# Allegro board BeagleBone_Green_Wireless_V1.0.brd
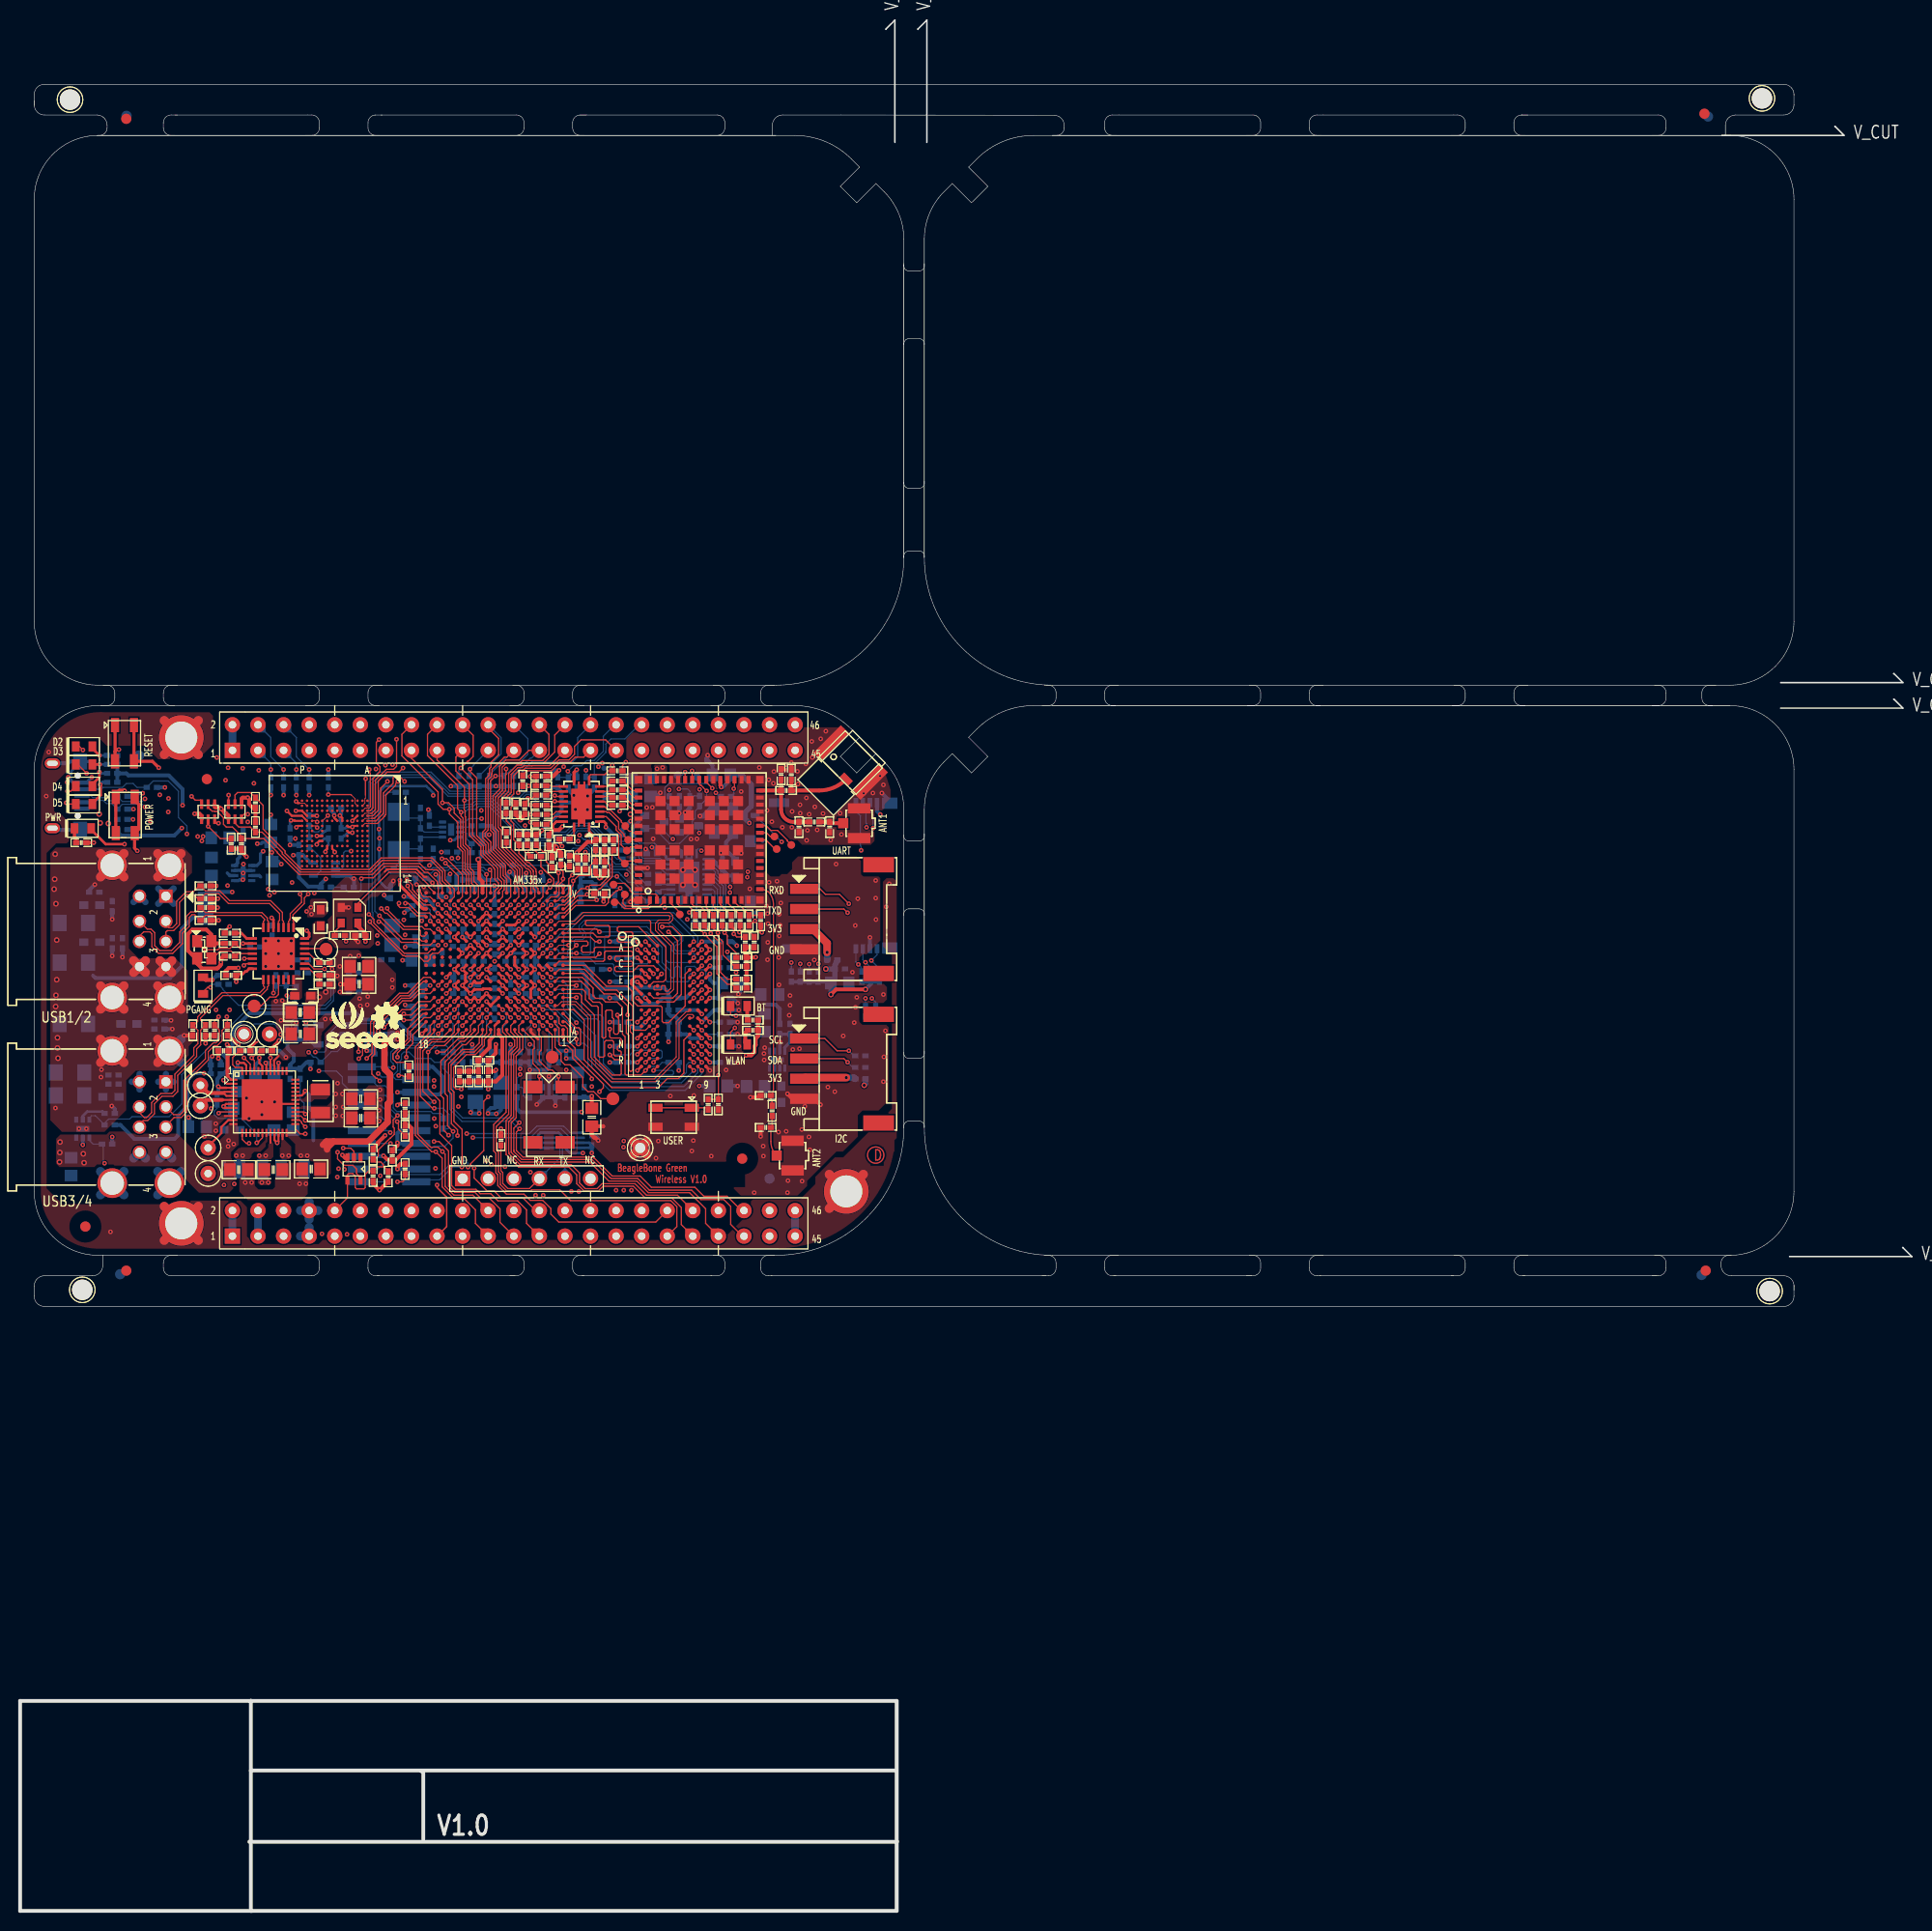
[diagram p0: board, top side]
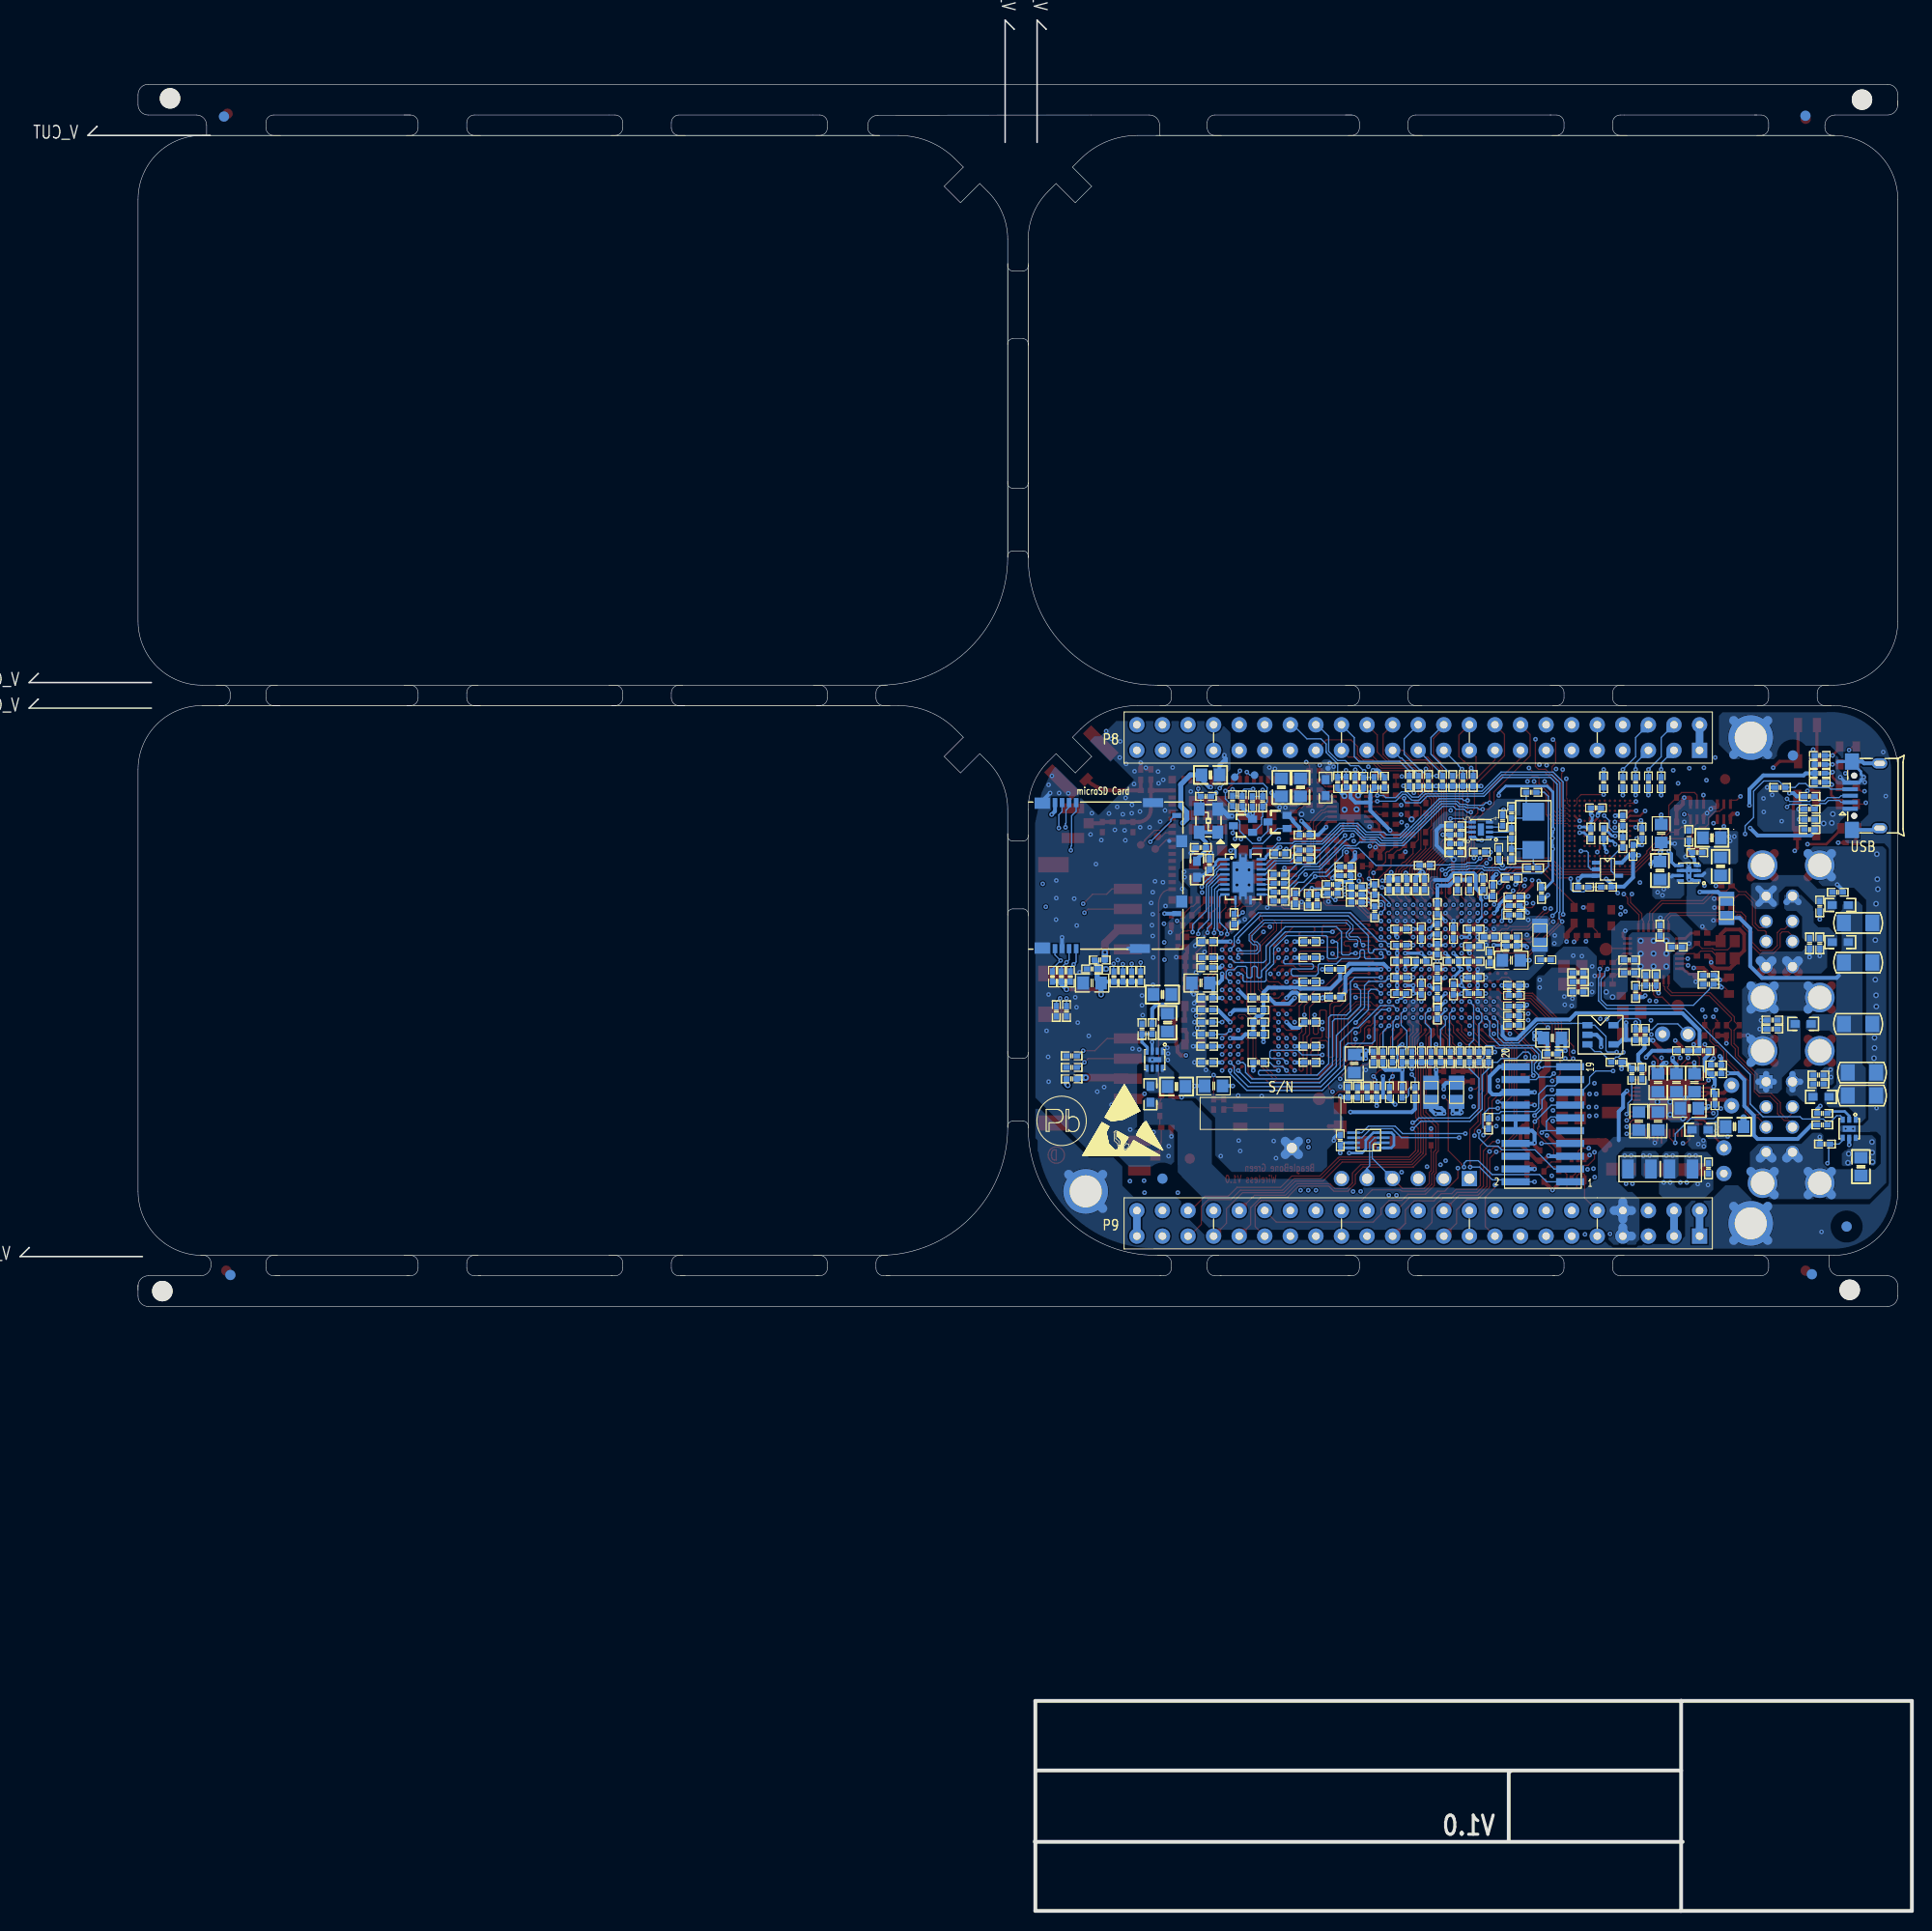
[diagram p1: board, bottom side, seen from below]

Outline 187.86 x 187.83 mm; copper layers: TOP, LYR2_GND, LYR3, LYR4, LYR5_PWR, BOTTOM. Coordinates in mm from the lower left corner of the outline.
Outline path: 1.4,179.83 1.4,179.43 arc(1.69,178.71) 2.41,178.41 7.62,178.41 arc(8.34,178.11) 8.64,177.39 8.64,177.14 arc(8.41,176.6) 7.87,176.38 7.62,176.38 ; 1.4,179.32 1.4,180.44 arc(1.69,181.16) 2.41,181.46 175.13,181.46 arc(175.85,181.16) 176.15,180.44 176.15,179.43 arc(175.85,178.71) 175.13,178.41 170.36,178.41 arc(169.64,178.11) 169.34,177.39 169.34,176.38 169.29,176.38 ; 7.75,176.38 arc(3.26,174.52) 1.4,170.03 1.4,128.12 arc(3.26,123.63) 7.75,121.77 75.06,121.77 arc(84.04,125.49) 87.76,134.47 ; 7.75,176.38 76.91,176.38 arc(79.96,175.77) 82.54,174.04 83.36,173.23 81.45,171.32 83.08,169.69 84.98,171.6 85.8,170.79 arc(87.25,168.62) 87.76,166.06 87.76,134.47 ; 7.75,176.38 75.06,176.38 ; 8.25,121.77 8.64,121.77 arc(9.17,121.54) 9.4,121.01 9.4,120.5 arc(9.17,119.96) 8.64,119.74 8,119.74 ; 8.25,65.13 8.2,65.13 8.2,64.11 arc(7.91,63.39) 7.19,63.09 2.41,63.09 arc(1.69,62.8) 1.4,62.08 1.4,61.06 arc(1.69,60.34) 2.41,60.05 175.13,60.05 arc(175.85,60.34) 176.15,61.06 176.15,62.18 ; 15.62,178.41 14.99,178.41 arc(14.45,178.19) 14.22,177.65 14.22,177.14 arc(14.45,176.6) 14.99,176.38 15.37,176.38 ; 15.62,121.77 14.99,121.77 arc(14.45,121.54) 14.22,121.01 14.22,120.5 arc(14.45,119.96) 14.99,119.74 15.37,119.74 ; 15.62,65.13 14.99,65.13 arc(14.45,64.9) 14.22,64.36 14.22,63.86 arc(14.45,63.32) 14.99,63.09 28.96,63.09 arc(29.49,63.32) 29.72,63.86 29.72,64.36 arc(29.49,64.9) 28.96,65.13 28.57,65.13 ; 22.76,6.86 87.07,6.86 87.07,6.93 ; 22.91,13.94 87,13.94 ; 22.91,20.88 22.91,0 23.01,0 ; 15.37,178.41 28.96,178.41 arc(29.49,178.19) 29.72,177.65 29.72,177.14 arc(29.49,176.6) 28.96,176.38 28.32,176.38 ; 28.57,121.77 28.96,121.77 arc(29.49,121.54) 29.72,121.01 29.72,120.5 arc(29.49,119.96) 28.96,119.74 28.32,119.74 ; 35.94,178.41 35.31,178.41 arc(34.77,178.19) 34.54,177.65 34.54,177.14 arc(34.77,176.6) 35.31,176.38 35.69,176.38 ; 35.94,121.77 35.31,121.77 arc(34.77,121.54) 34.54,121.01 34.54,120.5 arc(34.77,119.96) 35.31,119.74 35.69,119.74 ; 35.94,65.13 35.31,65.13 arc(34.77,64.9) 34.54,64.36 34.54,63.86 arc(34.77,63.32) 35.31,63.09 35.69,63.09 ; 35.43,63.09 49.15,63.09 ; 39.85,13.87 40.03,13.87 40.03,6.91 ; 48.64,176.38 49.28,176.38 arc(49.81,176.6) 50.04,177.14 50.04,177.65 arc(49.81,178.19) 49.28,178.41 35.81,178.41 ; 48.89,121.77 49.28,121.77 arc(49.81,121.54) 50.04,121.01 50.04,120.5 arc(49.81,119.96) 49.28,119.74 48.64,119.74 ; 48.89,65.13 49.28,65.13 arc(49.81,64.9) 50.04,64.36 50.04,63.86 arc(49.81,63.32) 49.28,63.09 48.64,63.09 ; 55.63,178.41 arc(55.09,178.19) 54.86,177.65 54.86,177.14 arc(55.09,176.6) 55.63,176.38 56.01,176.38 ; 55.63,178.41 56.26,178.41 ; 55.63,178.41 69.22,178.41 arc(69.75,178.19) 69.98,177.65 69.98,177.14 arc(69.75,176.6) 69.22,176.38 68.58,176.38 ; 56.26,121.77 55.63,121.77 arc(55.09,121.54) 54.86,121.01 54.86,120.5 arc(55.09,119.96) 55.63,119.74 56.01,119.74 ; 56.26,65.13 55.63,65.13 arc(55.09,64.9) 54.86,64.36 54.86,63.86 arc(55.09,63.32) 55.63,63.09 56.01,63.09 ; 55.75,63.09 68.71,63.09 ; 68.83,121.77 69.22,121.77 arc(69.75,121.54) 69.98,121.01 69.98,120.5 arc(69.75,119.96) 69.22,119.74 68.58,119.74 ; 68.83,65.13 69.22,65.13 arc(69.75,64.9) 69.98,64.36 69.98,63.86 arc(69.75,63.32) 69.22,63.09 68.58,63.09 ; 74.93,121.77 74.3,121.77 arc(73.76,121.54) 73.53,121.01 73.53,120.5 arc(73.76,119.96) 74.3,119.74 74.68,119.74 ; 74.93,65.13 74.3,65.13 arc(73.76,64.9) 73.53,64.36 73.53,63.86 arc(73.76,63.32) 74.3,63.09 74.68,63.09 ; 74.55,63.09 101.85,63.09 ; 74.65,176.38 74.7,176.38 74.7,177.39 arc(75,178.11) 75.72,178.41 81.51,178.41 100.91,178.38 102.67,178.38 arc(103.39,178.09) 103.68,177.37 103.68,177.14 arc(103.46,176.6) 102.92,176.38 102.54,176.38 ; 82.54,117.4 arc(79.96,119.13) 76.91,119.74 7.75,119.74 arc(3.26,117.88) 1.4,113.39 1.4,71.48 arc(3.26,66.99) 7.75,65.13 75.06,65.13 arc(84.04,68.85) 87.76,77.83 87.76,109.42 arc(87.25,111.98) 85.8,114.15 ; 85.98,186.92 85.98,186.94 86.87,187.83 86.87,175.69 ; 87.76,163.53 87.76,163.42 arc(87.91,163.06) 88.27,162.92 89.28,162.92 arc(89.64,163.06) 89.79,163.42 89.79,163.6 ; 87.76,155.5 87.76,155.68 arc(87.91,156.04) 88.27,156.18 89.28,156.18 arc(89.64,156.04) 89.79,155.68 89.79,155.57 ; 87.76,141.94 87.76,141.83 arc(87.91,141.47) 88.27,141.33 89.28,141.33 arc(89.64,141.47) 89.79,141.83 89.79,142.01 ; 87.76,134.42 87.76,134.59 arc(87.91,134.95) 88.27,135.1 89.28,135.1 arc(89.64,134.95) 89.79,134.59 89.79,134.49 ; 87.76,134.47 87.76,163.68 ; 87.76,106.88 87.76,106.78 arc(87.91,106.42) 88.27,106.27 89.28,106.27 arc(89.64,106.42) 89.79,106.78 89.79,106.96 ; 87.76,98.86 87.76,99.03 arc(87.91,99.39) 88.27,99.54 89.28,99.54 arc(89.64,99.39) 89.79,99.03 89.79,98.93 ; 87.76,85.29 87.76,85.19 arc(87.91,84.83) 88.27,84.68 89.28,84.68 arc(89.64,84.83) 89.79,85.19 89.79,85.37 ; 87.76,77.77 87.76,77.95 arc(87.91,78.31) 88.27,78.46 89.28,78.46 arc(89.64,78.31) 89.79,77.95 89.79,77.85 ; 89.15,186.92 89.15,186.94 90.04,187.83 90.04,175.69 ; 89.79,163.68 89.79,134.47 ; 89.79,134.47 89.79,166.06 arc(90.3,168.62) 91.75,170.79 92.56,171.6 94.47,169.69 96.1,171.32 94.19,173.23 95,174.04 arc(97.59,175.77) 100.64,176.38 169.8,176.38 ; 89.79,134.47 arc(93.51,125.49) 102.49,121.77 169.8,121.77 arc(174.29,123.63) 176.15,128.12 176.15,170.03 arc(174.29,174.52) 169.8,176.38 ; 89.79,107.04 89.79,77.83 ; 89.79,77.83 89.79,109.42 arc(90.3,111.98) 91.75,114.15 92.56,114.96 94.47,113.05 96.1,114.68 94.19,116.59 95,117.4 arc(97.59,119.13) 100.64,119.74 169.8,119.74 ; 89.79,77.83 arc(93.51,68.85) 102.49,65.13 169.8,65.13 arc(174.29,66.99) 176.15,71.48 176.15,113.39 arc(174.29,117.88) 169.8,119.74 ; 101.73,121.77 102.11,121.77 arc(102.65,121.54) 102.87,121.01 102.87,120.5 arc(102.65,119.96) 102.11,119.74 101.47,119.74 ; 101.73,65.13 102.11,65.13 arc(102.65,64.9) 102.87,64.36 102.87,63.86 arc(102.65,63.32) 102.11,63.09 101.47,63.09 ; 109.09,121.77 108.46,121.77 arc(107.92,121.54) 107.7,121.01 107.7,120.5 arc(107.92,119.96) 108.46,119.74 108.84,119.74 ; 109.09,65.13 108.46,65.13 arc(107.92,64.9) 107.7,64.36 107.7,63.86 arc(107.92,63.32) 108.46,63.09 108.84,63.09 ; 108.59,63.09 122.3,63.09 ; 108.84,176.38 108.46,176.38 arc(107.92,176.6) 107.7,177.14 107.7,177.65 arc(107.92,178.19) 108.46,178.41 122.43,178.41 arc(122.97,178.19) 123.19,177.65 123.19,177.14 arc(122.97,176.6) 122.43,176.38 121.79,176.38 ; 122.05,121.77 122.43,121.77 arc(122.97,121.54) 123.19,121.01 123.19,120.5 arc(122.97,119.96) 122.43,119.74 121.79,119.74 ; 122.05,65.13 122.43,65.13 arc(122.97,64.9) 123.19,64.36 123.19,63.86 arc(122.97,63.32) 122.43,63.09 121.79,63.09 ; 129.41,121.77 128.78,121.77 arc(128.24,121.54) 128.02,121.01 128.02,120.5 arc(128.24,119.96) 128.78,119.74 129.16,119.74 ; 129.41,65.13 128.78,65.13 arc(128.24,64.9) 128.02,64.36 128.02,63.86 arc(128.24,63.32) 128.78,63.09 129.16,63.09 ; 129.03,63.09 142.37,63.09 ; 129.16,176.38 128.78,176.38 arc(128.24,176.6) 128.02,177.14 128.02,177.65 arc(128.24,178.19) 128.78,178.41 142.75,178.41 arc(143.29,178.19) 143.51,177.65 143.51,177.14 arc(143.29,176.6) 142.75,176.38 142.11,176.38 ; 142.37,121.77 142.75,121.77 arc(143.29,121.54) 143.51,121.01 143.51,120.5 arc(143.29,119.96) 142.75,119.74 142.11,119.74 ; 142.37,65.13 142.75,65.13 arc(143.29,64.9) 143.51,64.36 143.51,63.86 arc(143.29,63.32) 142.75,63.09 142.11,63.09 ; 149.1,178.41 arc(148.56,178.19) 148.34,177.65 148.34,177.14 arc(148.56,176.6) 149.1,176.38 149.48,176.38 ; 149.1,178.41 149.73,178.41 ; 149.1,178.41 162.69,178.41 arc(163.23,178.19) 163.45,177.65 163.45,177.14 arc(163.23,176.6) 162.69,176.38 162.05,176.38 ; 149.73,121.77 149.1,121.77 arc(148.56,121.54) 148.34,121.01 148.34,120.5 arc(148.56,119.96) 149.1,119.74 149.48,119.74 ; 149.73,65.13 149.1,65.13 arc(148.56,64.9) 148.34,64.36 148.34,63.86 arc(148.56,63.32) 149.1,63.09 149.48,63.09 ; 149.22,63.09 162.56,63.09 ; 162.31,121.77 162.69,121.77 arc(163.23,121.54) 163.45,121.01 163.45,120.5 arc(163.23,119.96) 162.69,119.74 162.05,119.74 ; 162.31,65.13 162.69,65.13 arc(163.23,64.9) 163.45,64.36 163.45,63.86 arc(163.23,63.32) 162.69,63.09 162.05,63.09 ; 168.4,121.77 167.77,121.77 arc(167.23,121.54) 167,121.01 167,120.5 arc(167.23,119.96) 167.77,119.74 168.15,119.74 ; 168.99,176.38 181.13,176.38 180.24,177.27 180.21,177.27 ; 169.8,176.38 102.49,176.38 ; 169.8,119.74 102.49,119.74 ; 169.93,65.13 169.67,65.13 arc(169.13,64.9) 168.91,64.36 168.91,64.11 arc(169.21,63.39) 169.93,63.09 175.13,63.09 arc(175.85,62.8) 176.15,62.08 176.15,61.67 ; 174.83,122.02 186.97,122.02 186.08,122.91 186.05,122.91 ; 174.83,119.48 186.97,119.48 186.08,120.37 186.05,120.37 ; 175.72,65 187.86,65 186.97,65.89 186.94,65.89 ; 0,20.85 87.05,20.85 87.05,0 0,0 0,20.85

## Design rules (mm)
net group HUB_D1: nets HUB_DM1 HUB_DP1
net group HUB_D2: nets HUB_DM2 HUB_DP2
net group HUB_D3: nets HUB_DM3 HUB_DP3
net group HUB_D4: nets HUB_DM4 HUB_DP4
net group USB0: nets USB0_DM USB0_DP
net group USB1: nets USB1_DM USB1_DP
net group CLK: nets MMC0_CLKO
net group DDR_ADD: nets DDR_A0 DDR_A1 DDR_A2 DDR_A3 DDR_A4 DDR_A5 DDR_A6 DDR_A7 DDR_A8 DDR_A9 DDR_A10 DDR_A11 DDR_A12 DDR_A13 DDR_A14 DDR_BA0 DDR_BA1 DDR_BA2 DDR_CASN DDR_CKE DDR_CLK DDR_CLKN DDR_CSN DDR_ODT DDR_RASN DDR_WEN
net group DDR_DQ0: nets DDR_D0 DDR_D1 DDR_D2 DDR_D3 DDR_D4 DDR_D5 DDR_D6 DDR_D7 DDR_DQM0 DDR_DQS0 DDR_DQSN0
net group DDR_DQ1: nets DDR_D8 DDR_D9 DDR_D10 DDR_D11 DDR_D12 DDR_D13 DDR_D14 DDR_D15 DDR_DQM1 DDR_DQS1 DDR_DQSN1
nets with their own width: min track width 0.203; nets USB1_VBUS

## Placement (name value [footprint] x y rotation side)
ANT  ACA-5036-A2-CC-S  [ACA5036]  82.47 114.08 225 top
C1  10uF,10V  [805]  21.72 73.63 180 top
C2  10uF,10V  [805]  17.6 77.9 0 bottom
C3  0.1uf,16V  [402]  22.35 85.45 180 top
C4  10uF,10V  [805]  21.59 82.27 90 bottom
C7  10uF,10V  [805]  25.21 78.46 270 bottom
C8  10uF,10V  [805]  27.11 78.46 270 bottom
C9  10uF,10V  [805]  25.15 73.63 180 top
C10  10uF,10V  [805]  22.1 79.73 180 bottom
C11  10uF,10V  [805]  33.83 78.77 180 top
C12  10uF,10V  [805]  28.89 73.7 0 top
C13  10uF,10V  [805]  25.21 82.27 90 bottom
C14  10uF,10V  [805]  27.81 87.12 0 top
C15  10uF,10V  [805]  23.37 82.27 90 bottom
C16  2.2uF,6.3V  [402]  19.43 84.05 0 bottom
C18  2.2uF,6.3V  [402]  20.19 85.45 180 top
C21  18pF,50V  [402]  51.88 81.32 90 bottom
C22  18pF,50V  [402]  53.15 81.32 90 bottom
C24  2.2uF,6.3V  [402]  35.05 73 270 top
C25  18pF,50V  [402]  39.75 105 270 bottom
C26  18pF,50V  [402]  39.75 109.07 90 bottom
C28  0.1uf,16V  [402]  57.28 93.54 0 bottom
C29  0.1uf,16V  [402]  36.96 75.03 90 top
C30  0.1uf,16V  [402]  36.55 72.95 270 top
C31  0.1uf,16V  [402]  44.58 82.91 270 top
C32  0.001uf,50V  [402]  43.62 82.91 270 top
C33  0.1uf,16V  [402]  45.53 82.91 270 top
C36  0.1uf,16V  [402]  10.16 107.42 0 bottom
C37  0.1uf,16V  [402]  26.8 83.16 270 bottom
C38  0.1uf,16V  [402]  39.75 96.75 180 bottom
C39  10uF,10V  [805]  33.66 93.83 0 top
C40  10uF,10V  [805]  33.66 92.05 0 top
C41  0.1uf,16V  [402]  43.52 97.54 180 bottom
C42  0.1uf,16V  [402]  47.12 97.54 270 bottom
C43  0.1uf,16V  [402]  48.72 97.14 90 bottom
C44  0.1uf,16V  [402]  39.52 90.94 180 bottom
C45  0.1uf,16V  [402]  39.75 95.86 180 bottom
C46  0.1uf,16V  [402]  45.52 94.34 0 bottom
C47  0.1uf,16V  [402]  47.12 95.54 270 bottom
C48  0.1uf,16V  [402]  48.72 94.34 0 bottom
C49  0.1uf,16V  [402]  47.12 93.14 90 bottom
C50  0.1uf,16V  [402]  48.72 91.54 90 bottom
C51  0.1uf,16V  [402]  33.15 93.19 180 bottom
C52  0.1uf,16V  [402]  33.15 92.3 180 bottom
C53  0.1uf,16V  [402]  33.15 91.29 180 bottom
C54  0.1uf,16V  [402]  39.52 91.94 180 bottom
C55  10uF,10V  [805]  33.83 80.67 180 top
C56  0.1uf,16V  [402]  47.12 99.54 270 bottom
C57  0.1uf,16V  [402]  55.3 112.12 270 bottom
C58  0.1uf,16V  [402]  43.92 101.94 90 bottom
C59  0.1uf,16V  [402]  44.89 84.81 270 bottom
C60  0.1uf,16V  [402]  43.52 92.74 180 bottom
C61  0.1uf,16V  [402]  56.26 102.84 180 bottom
C62  10uF,10V  [805]  35.69 86.72 0 bottom
C63  0.1uf,16V  [402]  45.52 91.54 90 bottom
C64  0.1uf,16V  [402]  35.69 85.13 180 bottom
C65  0.1uf,16V  [402]  43.52 94.34 180 bottom
C66  0.1uf,16V  [402]  43.48 95.81 180 bottom
C67  0.1uf,16V  [402]  41.91 94.72 90 bottom
C68  0.1uf,16V  [402]  50.16 101.96 270 bottom
C69  0.1uf,16V  [402]  36.78 101.12 270 bottom
C70  0.1uf,16V  [402]  43.52 91.14 180 bottom
C71  0.1uf,16V  [402]  39.75 102.59 180 bottom
C72  0.1uf,16V  [402]  47.12 91.14 270 bottom
C73  0.1uf,16V  [402]  50.72 97.54 0 bottom
C74  0.1uf,16V  [402]  51.92 101.94 270 bottom
C75  0.1uf,16V  [402]  52.37 112.09 270 bottom
C76  0.1uf,16V  [402]  51.05 101.96 270 bottom
C77  10uF,10V  [805]  39.78 94.44 180 bottom
C78  0.1uf,16V  [402]  39.5 98.93 0 bottom
C79  0.1uf,16V  [402]  36.37 94.49 180 bottom
C80  0.1uf,16V  [402]  42.59 101.96 90 bottom
C81  0.1uf,16V  [402]  49.28 101.96 90 bottom
C82  0.1uf,16V  [402]  39.52 89.89 180 bottom
C83  0.1uf,16V  [402]  39.52 88.94 180 bottom
C84  0.1uf,16V  [402]  48.39 101.96 90 bottom
C85  0.1uf,16V  [402]  39.52 87.99 180 bottom
C86  0.1uf,16V  [402]  39.47 100.74 180 bottom
C87  0.1uf,16V  [402]  41.96 96.75 0 bottom
C88  0.1uf,16V  [402]  47.12 89.13 270 bottom
C89  1uF,10V  [402]  47.75 84.81 270 bottom
C90  1uF,10V  [402]  45.85 84.81 270 bottom
C91  1uF,10V  [402]  46.8 84.81 270 bottom
C92  0.1uf,16V  [402]  49.66 84.81 270 bottom
C93  0.1uf,16V  [402]  46.48 82.91 270 top
C94  0.1uf,16V  [402]  45.52 97.14 270 bottom
C95  10uF,10V  [805]  55.37 84.18 90 bottom
C96  10uF,10V  [805]  56.77 78.84 90 top
C97  0.1uf,16V  [402]  50.72 95.94 180 bottom
C98  0.1uf,16V  [402]  50.72 94.34 180 bottom
C99  0.1uf,16V  [402]  50.72 92.74 180 bottom
C100  0.1uf,16V  [402]  50.72 91.14 180 bottom
C101  0.1uf,16V  [402]  53.47 84.81 270 bottom
C102  0.1uf,16V  [402]  55.05 81.32 90 bottom
C103  0.1uf,16V  [402]  56.01 81.32 90 bottom
C104  1uF,10V  [402]  50.61 84.81 270 bottom
C105  0.1uf,16V  [402]  48.7 84.81 270 bottom
C106  1uF,10V  [402]  45.12 101.94 90 bottom
C107  0.1uf,16V  [402]  59.82 96.29 180 bottom
C108  0.1uf,16V  [402]  59.82 94.69 180 bottom
C109  0.1uf,16V  [402]  59.82 92.29 180 bottom
C110  0.1uf,16V  [402]  59.82 90.69 180 bottom
C111  0.1uf,16V  [402]  59.82 88.29 180 bottom
C112  0.1uf,16V  [402]  59.82 85.89 180 bottom
C113  0.1uf,16V  [402]  59.82 84.29 180 bottom
C114  0.1uf,16V  [402]  69.98 96.29 0 bottom
C115  0.1uf,16V  [402]  69.98 94.69 0 bottom
C116  0.1uf,16V  [402]  69.98 93.7 0 bottom
C117  0.1uf,16V  [402]  69.98 90.69 0 bottom
C118  10uF,10V  [805]  70.61 92.18 180 bottom
C119  0.1uf,16V  [402]  69.98 89.49 0 bottom
C120  0.1uf,16V  [402]  69.98 85.89 0 bottom
C121  0.1uf,16V  [402]  69.98 84.29 0 bottom
C122  10uF,10V  [805]  69.34 81.95 180 bottom
C123  0.001uf,50V  [402]  64.9 89.49 0 bottom
C124  0.1uf,16V  [402]  64.9 87.09 180 bottom
C125  2.2uF,6.3V  [402]  30.61 112.12 90 bottom
C126  10uF,10V  [805]  24.89 107.04 90 bottom
C127  0.1uf,16V  [402]  26.8 107.04 270 bottom
C128  0.1uf,16V  [402]  30.61 107.04 90 bottom
C129  0.1uf,16V  [402]  31.88 107.04 270 bottom
C130  0.1uf,16V  [402]  31.37 109.58 180 bottom
C152  0.1uf,16V  [402]  27.43 87.03 90 bottom
C153  10uF,10V  [805]  81.41 92.18 0 bottom
C154  0.1uf,16V  [402]  81.41 93.57 0 bottom
C155  0.1uf,16V  [402]  56.77 76.56 270 bottom
C158  0.1uf,16V  [402]  27.69 105.38 90 bottom
C159  0.1uf,16V  [402]  33.78 96.9 180 top
C167  0.1uf,16V  [402]  70.61 105.64 0 bottom
C168  10uF,10V  [805]  69.65 112.85 0 bottom
C169  10uF,10V  [805]  60.71 111.61 90 bottom
C170  10uF,10V  [805]  62.61 111.61 90 bottom
C171  10pF  [402]  78.87 108.18 0 top
C172  10pF  [402]  74.68 79.48 270 top
C173  0.1uf,16V  [402]  60.32 106.88 0 bottom
C174  0.1uf,16V  [402]  69.75 103.94 90 bottom
C175  0.1uf,16V  [402]  52.5 106.35 90 top
C176  0.1uf,16V  [402]  62.74 105 0 bottom
C177  10uF,10V  [805]  73.03 81.89 0 bottom
C178  22uF,10V  [805]  74.42 91.03 180 bottom
C179  22uF,10V  [805]  19.86 106.6 180 bottom
C180  10uF,10V  [805]  25.02 103.35 270 bottom
C181  0.1uf,16V  [402]  25.02 97.38 270 bottom
C182  0.1uf,16V  [402]  23.34 95.76 0 bottom
C183  18pF,50V  [402]  20.83 96.11 180 top
C184  18pF,50V  [402]  20.83 94.84 180 top
C185  0.1uf,16V  [402]  28.07 94.46 180 bottom
C186  0.1uf,16V  [402]  20.95 92.94 0 top
C187  0.1uf,16V  [402]  28.07 93.19 180 bottom
C188  10uF,10V  [805]  27.81 89.26 180 top
C189  0.1uf,16V  [402]  7.37 101.19 180 bottom
C190  100uF  [1206]  5.33 98.15 180 bottom
C191  0.1uf,16V  [402]  9.14 96.11 270 bottom
C192  100uF  [1206]  5.33 94.21 180 bottom
C193  0.1uf,16V  [402]  13.84 88.49 0 bottom
C194  100uF  [1206]  5.33 88.11 180 bottom
C195  0.1uf,16V  [402]  9.27 82.14 180 bottom
C196  100uF  [1206]  4.95 83.29 180 bottom
C197  10uF,10V  [805]  5.05 73.94 270 bottom
C198  100uF  [1206]  4.95 81 180 bottom
C199  1uF,10V  [402]  25.4 92.43 90 bottom
C200  10pF  [402]  76.07 111.3 0 top
C202  100pF  [402]  83.44 84.94 0 bottom
C203  100pF  [402]  83.44 83.79 0 bottom
C204  100pF  [402]  84.96 89.38 270 bottom
C205  100pF  [402]  83.95 89.38 270 bottom
D1  GREEN  [LED_0603]  6.22 107.54 0 top
D2  LTST-C191TBKT  [LED_0603]  6.35 115.67 0 top
D3  LTST-C191TBKT  [LED_0603]  6.35 113.89 0 top
D4  LTST-C191TBKT  [LED_0603]  6.35 111.73 0 top
D5  LTST-C191TBKT  [LED_0603]  6.35 109.96 0 top
D6  GREEN  [LED_0603]  18.16 91.92 90 top
D7  GREEN  [LED_0603]  71.37 89.89 0 top
D8  LTST-C191TBKT  [LED_0603]  71.37 86.08 0 top
D9  ESDPSA0402V05  [402]  9.14 99.8 270 bottom
D10  ESDPSA0402V05  [402]  18.41 100.56 0 top
D11  ESDPSA0402V05  [402]  18.41 101.83 0 top
D12  ESDPSA0402V05  [402]  10.16 96.11 90 bottom
D13  ESDPSA0402V05  [402]  18.41 98.4 180 top
D14  ESDPSA0402V05  [402]  18.41 99.67 180 top
D15  ESDPSA0402V05  [402]  13.84 87.6 0 bottom
D16  ESDPSA0402V05  [402]  20.57 87.48 270 top
D17  ESDPSA0402V05  [402]  19.3 87.48 270 top
D18  ESDPSA0402V05  [402]  9.27 83.03 0 bottom
D19  ESDPSA0402V05  [402]  18.41 87.48 90 top
D20  ESDPSA0402V05  [402]  17.14 87.48 90 top
D21  ESDPSA0402V05  [402]  10.16 109.45 180 bottom
D22  ESDPSA0402V05  [402]  10.16 110.72 180 bottom
D23  ESDPSA0402V05  [402]  13.08 111.61 180 bottom
D24  ESDPSA0402V05  [402]  10.16 108.43 180 bottom
FB1  150OHM800mA  [SM-7351-IND-0805]  36.93 96.93 270 bottom
FB2  150OHM800mA  [SM-7351-IND-0805]  47.75 81.32 270 bottom
FB3  150OHM800mA  [SM-7351-IND-0805]  45.21 81.32 270 bottom
FB8  0.1R,0805  [SM-7351-IND-0805]  18.41 99.59 270 bottom
J1  HEADER 6  [SIP6]  43.94 72.75 90 top
J4  GroveHDR  [4P-SMD-2_0-90D]  77.85 83.67 270 top
J5  GroveHDR  [4P-SMD-2_0-90D]  77.85 98.53 270 top
J6  SMD Female U-FL  [U-FL3P-SMD-2_6X2_6X1_0MM]  83.31 108.05 180 top
J7  SMD Female U-FL  [U-FL3P-SMD-2_6X2_6X1_0MM]  76.71 75.03 180 top
J8  -  [ST-USB-201C]  9.14 97.31 90 top
J9  -  [ST-USB-201C]  9.14 78.87 90 top
L1  LQM2HPN2R2MG0L  [2520]  22.92 73.7 180 bottom
L2  LQM2HPN2R2MG0L  [2520]  27.05 73.7 0 bottom
L3  LQM2HPN2R2MG0L  [2520]  29.82 80.44 270 top
L4  BLM18KG221SN1D  [603]  70.99 103.48 270 bottom
L7  DNP  [402]  77.34 107.67 90 top
L8  DNP  [402]  80.39 107.67 90 top
L9  DNP  [402]  74.04 81 0 top
L10  DNP  [402]  74.04 77.83 0 top
L11  0.47uH  [805]  73.91 88.24 90 bottom
L12  0.33uH  [805]  19 103.76 90 bottom
L13  BLM18KG221SN1D  [603]  75.62 81.13 90 bottom
L14  BLM18KG221SN1D  [603]  58.22 111.58 270 bottom
L15  BLM18KG221SN1D  [603]  28.07 90.91 0 top
L16  BLM18KG221SN1D  [603]  29.84 98.65 90 top
L17  BLM18KG221SN1D  [603]  10.79 88.11 180 bottom
L18  BLM18KG221SN1D  [603]  9.02 80.87 180 bottom
L19  BLM18KG221SN1D  [603]  7.11 99.92 180 bottom
L20  BLM18KG221SN1D  [603]  7.11 96.24 180 bottom
L21  DNP  [402]  75.57 112.9 270 top
L22  DNP  [402]  76.58 112.88 270 top
MTG1  MHOLE  [MTGH200C125D_PL]  16 68.3 90 top
MTG3  MHOLE  [MTGH200C125D_PL]  16 116.56 90 top
MTG4  MHOLE  [MTGH200C125D_PL]  82.04 71.48 90 top
NOREF  -  [unnamed]  4.95 179.93 180 top
NOREF#2  -  [#2]  16 116.56 0 top
NOREF#3  -  [#2]  -366.77 -191.34 0 top
NOREF#4  -  [#2]  87.76 77.83 0 top
NOREF#5  -  [unnamed#3]  18.54 112.43 270 top
NOREF#6  -  [#2]  1.4 53.16 0 top
NOREF#7  -  [unnamed]  173.74 61.57 0 top
NOREF#8  -  [unnamed]  6.17 61.7 0 top
NOREF#9  -  [unnamed#3]  167.39 63.6 270 top
NOREF#10  -  [#2]  87.76 104.81 0 top
NOREF#11  -  [unnamed#3]  71.7 74.73 270 top
NOREF#12  -  [#2]  16 68.3 0 top
NOREF#13  -  [#2]  87.12 104.18 0 top
NOREF#14  -  [#2]  82.04 71.48 0 top
NOREF#15  -  [#2]  82.04 71.48 0 top
NOREF#16  -  [unnamed#3]  10.54 63.6 270 top
NOREF#17  -  [#2]  82.04 113.39 0 top
NOREF#18  -  [#2]  87.76 93.07 0 top
NOREF#19  -  [unnamed#3]  167.26 178.54 270 top
NOREF#20  -  [#2]  7.75 119.74 0 top
NOREF#21  -  [unnamed]  172.97 180.06 180 top
NOREF#22  -  [#2]  87.12 93.7 0 top
NOREF#23  -  [unnamed#3]  6.48 67.98 270 top
NOREF#24  -  [#2]  16 68.3 0 top
NOREF#25  -  [#2]  1.4 65.13 0 top
NOREF#26  -  [#2]  87.12 93.7 0 top
NOREF#27  -  [#2]  41.78 108.43 0 top
NOREF#28  -  [unnamed#3]  10.54 178.03 270 top
NOREF#29  -  [#2]  1.4 65.13 0 top
NOREF#30  -  [#2]  83.31 117.2 0 top
NOREF#31  -  [#2]  -366.9 -191.41 0 top
NOREF#32  -  [#2]  -10.57 65.13 90 top
NOREF#33  -  [unnamed#3]  6.48 67.98 270 bottom
NOREF#34  -  [unnamed#3]  11.81 114.78 270 bottom
NOREF#35  -  [unnamed#3]  74.42 72.75 270 bottom
NOREF#36  -  [unnamed#3]  166.98 63.17 270 bottom
NOREF#37  -  [unnamed#3]  167.61 178.26 90 bottom
NOREF#38  -  [unnamed#3]  9.93 63.25 270 bottom
NOREF#39  -  [#2]  3.3 118.47 180 bottom
NOREF#40  -  [unnamed#3]  10.57 178.33 90 bottom
OSC1  7XZ-32.768KHz  [X4-SMD-3_2X2_5X1_0MM]  69.85 108.31 90 bottom
P2  CTI JTAG,DNI  [HEADER10X2_SMD]  36.64 78.14 90 bottom
P4  SMD Micro USB-B-without POST-W/P  [5P-USB-B]  6.38 110.78 90 bottom
P8  FEMALE HEADER 2x23  [HEADER23X2]  21.08 115.29 0 top
P9  FEMALE HEADER 2x23  [HEADER23X2]  21.08 67.03 0 top
P10  SCHA5B0200  [SD-MICRO-SCHA5B0300]  82.99 102.84 270 bottom
Q1  DMC56404  [SMINI6-F3-B]  21.34 109.19 180 top
Q2  DMC56404  [SMINI6-F3-B]  18.67 109.19 180 top
Q3  BSS138W-7-F  [SOT-323-3]  62.99 108.18 90 bottom
Q4  BSS138W-7-F  [SOT-323-3]  66.42 107.8 90 bottom
R1  100K,1%  [402]  24.51 85.45 180 top
R3  1.5K,1%  [402]  27.81 83.16 270 bottom
R4  1.5K,1%  [402]  29.34 84.3 0 bottom
R5  0R,1%  [402]  19.43 83.16 180 bottom
R6  0R,1%  [402]  20.19 73.76 270 bottom
R7  0R,1%  [402]  19.56 80.62 270 bottom
R8  0R,1%  [402]  20.7 85.45 0 bottom
R9  0R,1% DNP  [402]  22.73 85.45 0 bottom
R12  1.5K,5%  [402]  6.07 106.12 180 top
R14  10K,1%  [402]  35.05 75.16 270 top
R17  1M,1%  [402]  39.75 107.04 90 bottom
R18  33R,5%  [0402]  42.04 78.21 90 bottom
R19  0R,1%  [402]  42.99 84.81 270 bottom
R20  0R,1%  [402]  43.94 84.81 90 bottom
R22  49.9,1%  [402]  57.28 90.78 180 bottom
R23  4.75K,1%  [402]  38.23 77.51 270 top
R24  4.75K,1%  [402]  38.23 79.73 90 top
R25  4.75K,1%  [402]  38.23 73.7 90 top
R26  4.75K,1%  [402]  51.56 84.81 90 bottom
R27  0R,1%  [402]  46.01 84.49 180 top
R29  0R,1%  [402]  41.02 105 90 bottom
R30  0R,1%  [402]  54.1 81.32 270 bottom
R45  22R,5%  [0402]  48.29 106.65 90 top
R46  0R,1%  [0402]  48.26 109.55 90 top
R47  0R,1%  [0402]  49.91 112.27 90 top
R48  0R,1%  [0402]  49.91 112.24 90 bottom
R49  0R,1%  [402]  39.47 99.87 0 bottom
R50  0R,1%  [402]  38.61 83.41 90 top
R51  0R,1%  [402]  42.04 84.81 90 bottom
R54  10K,1%  [402]  52.51 84.81 90 bottom
R55  100K,1%,DNI  [402]  53.39 112.12 90 bottom
R56  100K,1%  [402]  49.53 106.4 270 top
R57  100K,1%,DNI  [402]  50.37 106.4 270 top
R58  100K,1%,DNI  [402]  51.26 106.4 270 top
R59  100K,1%,DNI  [402]  56.18 112.14 90 bottom
R60  100K,1%,DNI  [402]  54.56 104.29 270 top
R61  100K,1%,DNI  [402]  55.37 103.99 270 top
R62  100K,1%,DNI  [402]  57.15 105.89 270 top
R63  100K,1%,DNI  [402]  55.14 101.73 180 bottom
R64  100K,1%,DNI  [402]  55.14 100.2 180 bottom
R65  100K,1%  [402]  58.04 105.89 270 top
R66  100K,1%  [402]  58.93 105.89 270 top
R67  100K,1%  [402]  56.26 103.73 0 bottom
R68  100K,1%  [402]  55.14 100.97 180 bottom
R69  100K,1%,DNI  [402]  57.53 101.07 0 bottom
R70  100K,1%,DNI  [402]  57.53 101.96 0 bottom
R71  4.75K,5%  [402]  9.14 112.12 180 bottom
R72  4.75K,5%  [402]  9.14 114.78 180 bottom
R73  4.75K,5%  [402]  9.14 113.89 180 bottom
R74  4.75K,5%  [402]  9.14 113 180 bottom
R75  100R,1%  [402]  68.33 80.11 270 top
R76  100K,1%  [402]  23.37 107.67 90 top
R77  100K,1%  [402]  23.37 110.08 270 top
R78  100K,1%  [402]  20.95 106.02 270 top
R79  100K,1%  [402]  21.97 106.02 270 top
R80  100K,1%  [402]  54.43 112.09 270 bottom
R81  100K,1%,DNI  [402]  49.23 109.52 270 top
R82  100K,1%  [402]  51.21 104.75 180 top
R83  100K,1%  [402]  52.81 104.17 90 top
R84  100K,1%  [402]  57.02 112.12 270 bottom
R85  100K,1%  [402]  53.7 104.42 90 top
R86  100K,1%  [402]  56.13 103.99 90 top
R87  100K,1%  [402]  57.15 103.73 270 top
R88  100K,1%  [402]  53.34 101.45 90 bottom
R89  100K,1%  [402]  53.34 99.29 270 bottom
R90  100K,1%,DNI  [402]  58.04 103.73 270 top
R91  100K,1%,DNI  [402]  57.53 101.07 0 top
R92  100K,1%,DNI  [402]  61.21 100.56 270 bottom
R93  100K,1%,DNI  [402]  69.34 80.11 270 top
R94  100K,1%  [402]  59.05 100.43 270 bottom
R95  100K,1%  [402]  59.94 100.43 270 bottom
R96  10K,1%  [402]  69.98 88.29 180 bottom
R97  1.5K,1%  [402]  64.9 84.29 180 bottom
R98  10K,1%  [402]  64.9 90.69 180 bottom
R99  240R  [402]  70 87.08 0 bottom
R100  10K,1%  [402]  64.9 88.29 180 bottom
R101  10K,1%  [402]  49.02 112.24 90 bottom
R102  10K,1%  [402]  48.01 112.24 90 bottom
R103  10K,1%  [402]  27.43 112.12 90 bottom
R104  10K,1%  [402]  28.7 112.12 90 bottom
R105  10K,1%  [402]  46.61 112.24 90 bottom
R106  10K,1%  [402]  45.59 112.24 90 bottom
R107  10K,1%  [402]  24.89 112.12 90 bottom
R108  10K,1%  [402]  26.16 112.12 90 bottom
R109  10K,1%  [402]  43.56 112.24 90 bottom
R110  10K,1%  [402]  44.58 112.24 90 bottom
R111  10K,1%  [402]  28.7 108.31 270 bottom
R150  10K,1%  [402]  77.47 92.81 90 bottom
R151  10K,1%  [402]  79.25 92.81 90 bottom
R152  10K,1%  [402]  85.34 92.81 90 bottom
R153  10K,1%  [402]  84.46 92.81 90 bottom
R154  10K,1%  [402]  83.57 92.81 90 bottom
R155  10K,1%  [402]  78.36 92.81 90 bottom
R156  10K,1%  [402]  26.48 87.03 90 bottom
R157  10K,1%  [402]  76.58 92.81 270 bottom
R159  0R,1%  [402]  41.61 101.32 270 bottom
R160  0R,1%  [402]  42.9 105.18 180 bottom
R161  0R,1%  [402]  48.39 103.86 0 bottom
R162  0R,1%  [402]  28.7 106.15 90 bottom
R163  4.75K,1%  [402]  49.34 81.32 90 bottom
R164  4.75K,1%  [402]  50.61 81.32 90 bottom
R165  100K,1%  [402]  47.75 76.56 90 top
R167  33R,5%  [0402]  31.75 96.9 0 top
R168  0R,1% DNP  [603]  21.03 77.6 180 bottom
R169  0R,1% DNP  [402]  30.35 101.7 180 bottom
R170  0R,1% DNP  [402]  32.64 101.7 0 bottom
R171  4.75K,5%,DNP  [402]  40.64 108.31 270 bottom
R172  4.75K,5%,DNP  [402]  45.34 106.91 180 bottom
R173  4.75K,5%,DNP  [402]  45.34 105.13 0 bottom
R174  4.75K,5%,DNP  [402]  45.34 107.8 0 bottom
R175  4.75K,5%.DNP  [402]  45.34 106.02 180 bottom
R176  33R,5%  [402]  72.39 98.4 90 top
R177  33R,5%  [402]  71.5 98.4 90 top
R178  33R,5%  [402]  70.61 98.4 90 top
R179  33R,5%  [402]  69.72 98.4 90 top